# Altium PCB UNT 3-ALL.pcbdoc (part 3 of 4)
Units mm, origin at the board's own origin, x right, y up, seen from the top; angles counter-clockwise.
Board outline 81.66 x 106.01 mm, 4 copper layers (Top Layer, Mid Layer 1, Mid Layer 2, Bottom Layer), stack 0.778 mm thick; 401 components, 151 nets, 1332 pads, 708 vias.
Unrouted connection lines stored in the file: 121.
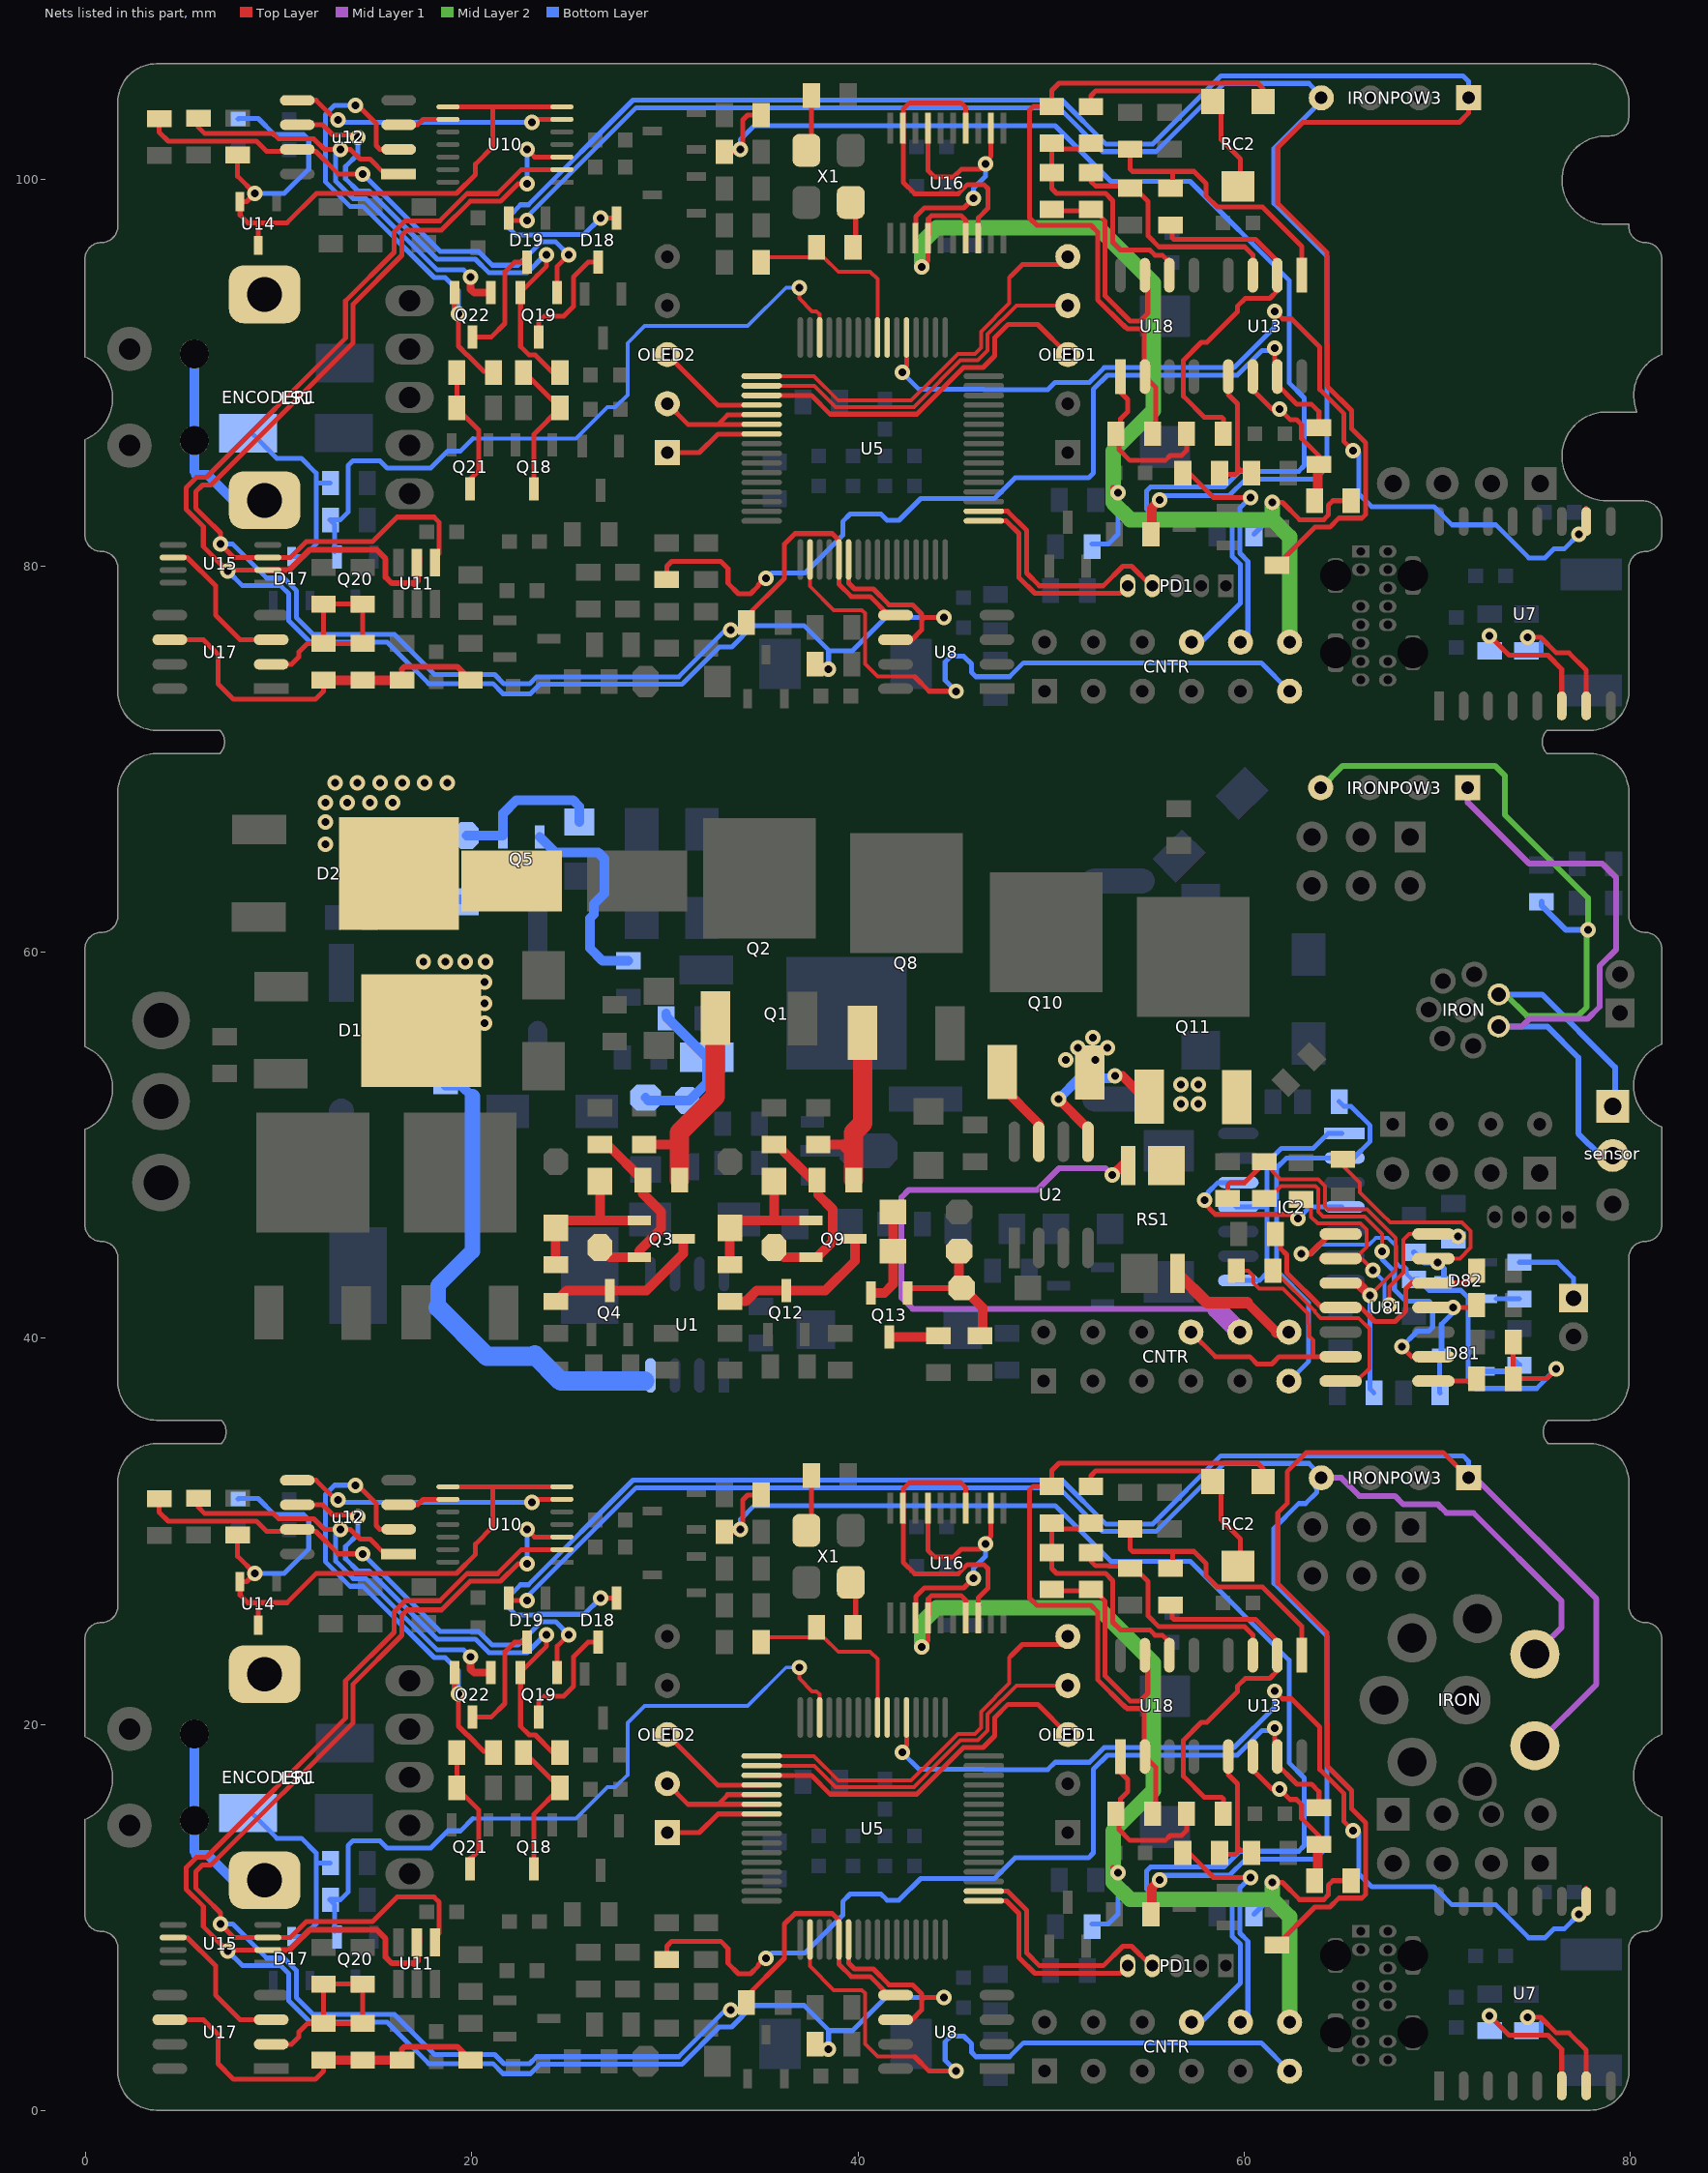
[diagram p5: the nets of this part, all layers, seen from the top]

## Via types
v1: diameter 0.8, hole 0.4, Top Layer to Bottom Layer, tented both sides, 702 vias
v2: diameter 4, hole 2.2, Top Layer to Bottom Layer, 6 vias

## Nets (pads, with @x,y where several pads share a name; then routed paths per layer and width w, separated by ;. In a path a pad name is that pad's centre, name@x,y a point inside that pad or via, vN(x,y) a via of type N, cw(c..) or ccw(c..) an arc to the next point about the centre after c; other vN are vias at no path point) (continued)
NetC58_2: C58.2 R34.2 U10.7 U10.8 U14.2 U14.3 | length 74.7
  Top Layer w0.254: R34.2@7.874,29.809 7.874,28.702 v1(8.763,27.813) 8.343,27.393 U14.2@8,27.393 8,26.7 8.4,26.3 9,26.3 ; R34.2@7.874,101.289 7.874,100.182 v1(8.763,99.293) 8.343,98.873 U14.2@8,98.873 8,98.18 8.4,97.78 9,97.78 ; U14.3@8.95,25.125 8.95,26.25 9,26.3 ; U14.3@8.95,96.605 8.95,97.73 9,97.78 ; U10.8@18.767,32.303 21.082,32.303 ; U10.8@18.767,103.783 21.082,103.783 ; U10.7@24.667,32.303 21.082,32.303 ; U10.7@24.667,103.783 21.082,103.783 ; 9,26.3 10.431,26.3 11.954,27.824 13.445,27.824 13.456,27.813 13.976,27.813 13.986,27.824 15.477,27.824 15.488,27.813 16.77,27.813 16.78,27.824 18.271,27.824 18.282,27.813 19.206,27.813 20.193,28.8 20.193,29.337 21.082,30.226 21.082,32.303 ; 9,97.78 10.431,97.78 11.954,99.304 13.445,99.304 13.456,99.293 13.976,99.293 13.986,99.304 15.477,99.304 15.488,99.293 16.77,99.293 16.78,99.304 18.271,99.304 18.282,99.293 19.206,99.293 20.193,100.28 20.193,100.817 21.082,101.706 21.082,103.783
  Bottom Layer w0.254: C58.2@7.9,31.677 7.923,31.7 8.94,31.7 9.779,30.861 11.303,30.861 11.557,30.607 11.557,29.083 10.287,27.813 v1(8.763,27.813) ; C58.2@7.9,103.157 7.923,103.18 8.94,103.18 9.779,102.341 11.303,102.341 11.557,102.087 11.557,100.563 10.287,99.293 v1(8.763,99.293)
NetC66_1: C66.1 R49.1 R50.2 R60.1 U17.2 | length 23.2
  Top Layer w0.254: U17.2@9.61,3.429 10.668,3.429 11.049,3.81 11.049,4.064 11.491,4.506 R50.2@12.319,4.506 ; U17.2@9.61,74.909 10.668,74.909 11.049,75.29 11.049,75.544 11.491,75.986 R50.2@12.319,75.986 R60.1@12.319,78.023 R49.1@14.351,78.023 14.478,78.023 14.351,77.896 C66.1@14.351,75.986 R50.2@12.319,75.986 ; R50.2@12.319,4.506 R60.1@12.319,6.543 R49.1@14.351,6.543 14.478,6.543 14.351,6.416 C66.1@14.351,4.506 R50.2@12.319,4.506
NetC66_2: C66.2 R50.1 R55.2 R58.1 U17.6 | length 38.8
  Top Layer w0.254: U17.6@4.36,4.699 6.096,4.699 6.858,3.937 6.858,2.413 7.654,1.617 11.904,1.617 12.319,2.032 R50.1@12.319,2.606 ; U17.6@4.36,76.179 6.096,76.179 6.858,75.417 6.858,73.893 7.654,73.097 11.904,73.097 12.319,73.512 R50.1@12.319,74.086
  Top Layer w0.3: R58.1@16.383,2.606 16.383,3.175 16.51,3.302 19.243,3.302 R55.2@19.939,2.606 ; R58.1@16.383,74.086 16.383,74.655 16.51,74.782 19.243,74.782 R55.2@19.939,74.086
  Top Layer w0.5: R50.1@12.319,2.606 R58.1@16.383,2.606 ; R50.1@12.319,74.086 R58.1@16.383,74.086
NetC85_1: C85.1 Q2.1 R6.1 | length 11.2
  Top Layer w0.5: C85.1@28.924,50.034 30.382,50.034 30.763,49.653
  Top Layer w1: R6.1@30.763,48.19 30.763,49.653 30.763,50.664 32.618,52.519 Q2.1@32.618,56.578
NetC86_1: C86.1 Q8.1 R14.1 | length 10.7
  Top Layer w0.5: C86.1@37.941,50.034 39.145,50.034 39.78,49.399
  Top Layer w1: R14.1@39.78,48.19 39.78,49.399 39.78,50.664 40.238,51.122 Q8.1@40.238,55.816 Q8.1@40.238,56.578
NetC92_2: C92.2 R85.2 R86.1 U81.10 | length 22.9
  Top Layer w0.2: R85.2@61.055,49.079 61.898,48.236 63.843,48.236 64.195,47.885 64.195,46.828 64.351,46.672 66.383,46.672 67.851,45.204 67.851,43.556 v1(66.516,42.221)
  Top Layer w0.254: R86.1@59.15,47.24 59.15,47.936 59.277,48.063 60.039,48.063 R85.2@61.055,49.079 ; U81.10@64.624,42.856 U81.10@65.005,42.856
  Top Layer w0.5: U81.10@65.005,42.856 65.881,42.856 v1(66.516,42.221)
  Bottom Layer w0.254: v1(66.516,42.221) 66.516,37.377 C92.2@66.73,37.164
NetC93_2: C93.2 D81.3 R83.2 U81.4 | length 7.5
  Top Layer w0.254: U81.4@69.424,41.586 U81.4@69.805,41.586 v1(70.834,41.586) 71.916,41.586 R83.2@72.043,41.713
  Bottom Layer w0.254: D81.3@70.133,39.234 70.133,37.19 C93.2@70.159,37.164 ; 70.217,40.715 v1@71.088,41.586
  Bottom Layer w0.3: D81.3@70.217,39.234 70.217,40.715
NetC95_2: C95.2 R91.1 R92.2 U81.8 | length 27.2
  Top Layer w0.254: R91.1@73.943,39.808 R92.2@73.943,37.903 75.666,37.903 v1(76.168,38.405)
  Top Layer w0.3: v1(62.96,44.38) 63.437,44.38 64.453,45.396 U81.8@65.005,45.396
  Bottom Layer w0.2: v1(62.96,44.38) 63.521,44.38 63.994,44.853 66.481,44.853 66.835,45.207 67.441,45.207 67.867,44.781 67.867,43.918 68.083,43.702 68.318,43.702 68.432,43.588 68.432,43.311 68.699,43.044 C95.2@68.802,43.044
  Bottom Layer w0.254: C95.2@68.802,43.044 69.015,43.044 69.578,42.481 71.228,42.481 71.615,42.094 71.615,41.152 71.604,41.141 71.604,37.768 71.977,37.395 75.152,37.395 v1@76.168,38.411
NetC96_2: C96.2 D82.3 R87.2 U81.6 | length 14.4
  Top Layer w0.2: R87.2@65.118,49.267 65.118,48.928 66.003,48.043 66.003,47.556 67.101,46.458 67.105,46.458 67.567,45.996 71.28,45.996 71.738,45.538 71.738,44.69 71.174,44.126 U81.6@69.805,44.126
  Bottom Layer w0.2: v1(70.03,43.914) v1@70.03,44.127
  Bottom Layer w0.254: C96.2@68.802,44.446 C96.2@68.807,44.441
  Bottom Layer w0.3: C96.2@68.807,44.441 69.335,43.914 v1(70.03,43.914) 70.344,43.6 D82.3@70.344,42.983
NetD1_2: D1.2 D2.2 F1.1
  other v1: 20.669,56.318 20.669,57.334 20.669,58.456 17.494,59.493 18.637,59.493 19.653,59.493 20.704,59.493 12.414,65.589 12.414,66.732 12.414,67.748 13.557,67.748 14.725,67.748 15.894,67.748 12.922,68.764 14.083,68.764 15.244,68.764 16.405,68.764 17.567,68.764 18.728,68.764
NetD5_2: D5.2 Q1.1 R2.1 ZD3.2 | length 8.1
  Bottom Layer w0.5: ZD3.2@29,52.458 29.141,52.318 D5.2@31.159,52.318 31.274,52.318 32.172,53.216 Q1.1@32.172,54.551 30.067,56.656 R2.1@30.067,56.826
NetD8_1: D8.1 Q3.1 R7.2 ZD6.1 | length 8.4
  Top Layer w0.5: R7.2@24.352,43.806 ZD6.1@24.352,45.714 24.731,46.092 26.638,46.092 ; D8.1@26.638,48.127 26.638,46.092 ; Q3.1@28.67,46.092 26.638,46.092
NetD8_2: D8.2 Q3.2 R5.1 R6.2 | length 10.1
  Top Layer w0.5: D8.2@26.638,44.698 27.144,44.192 Q3.2@28.67,44.192 28.67,44.529 29.813,45.672 29.813,46.539 28.863,47.489 R6.2@28.863,48.19 27.019,50.034 R5.1@26.638,50.034
NetD10_1: D10.1 Q9.1 R15.2 ZD7.1 | length 8.3
  Top Layer w0.5: R15.2@33.369,43.806 ZD7.1@33.369,45.714 33.748,46.092 35.782,46.092 ; D10.1@35.655,48.127 35.655,46.219 35.782,46.092 ; Q9.1@37.56,46.092 35.782,46.092
NetD10_2: D10.2 Q9.2 R13.1 R14.2 | length 10.1
  Top Layer w0.5: D10.2@35.655,44.698 36.161,44.192 Q9.2@37.56,44.192 37.88,44.192 38.703,45.015 38.703,46.666 37.941,47.428 37.941,48.129 R14.2@37.88,48.19 37.638,48.19 35.794,50.034 R13.1@35.655,50.034
NetD14_1: D14.1 D15.1 Q13.2 | length 5.1
  Top Layer w0.5: Q13.2@40.674,42.348 41.37,42.348 41.815,42.793 D14.1@41.815,44.507 D15.1@41.815,46.539
NetD14_2: D14.2 Q13.1 R19.2 ZD5.2 | length 7.5
  Top Layer w0.3: Q13.1@42.574,42.348 42.828,42.602 ZD5.2@45.244,42.602
  Top Layer w0.5: D14.2@45.244,44.253 45.244,42.602 ZD5.2@45.371,42.602 45.434,42.602 46.45,41.586 R19.2@46.45,40.123
NetD17_3: D17.3 LS1.2 R32.2 | length 20.3
  Bottom Layer w0.254: LS1.2@8.598,15.405 9.906,14.097 11.176,14.097 11.938,13.335 11.938,12.827 11.954,12.811 R32.2@12.683,12.811 ; LS1.2@8.598,86.885 9.906,85.577 11.176,85.577 11.938,84.815 11.938,84.307 11.954,84.291 R32.2@12.683,84.291 ; D17.3@10.668,8.999 11.285,8.999 11.938,9.652 11.938,12.811 ; D17.3@10.668,80.479 11.285,80.479 11.938,81.132 11.938,84.291
NetD18_3: D18.3 Q19.3 | length 12.1
  Top Layer w0.254: Q19.3@23.477,20.386 23.477,21.191 23.749,21.463 24.765,21.463 25.273,21.971 25.273,23.495 26.035,24.257 D18.3@26.543,24.257 ; Q19.3@23.477,91.866 23.477,92.671 23.749,92.943 24.765,92.943 25.273,93.451 25.273,94.975 26.035,95.737 D18.3@26.543,95.737
NetD19_3: D19.3 Q22.3 | length 12
  Top Layer w0.254: Q22.3@20.048,20.386 21.021,20.386 21.717,21.082 21.717,23.749 22.225,24.257 D19.3@22.86,24.257 ; Q22.3@20.048,91.866 21.021,91.866 21.717,92.562 21.717,95.229 22.225,95.737 D19.3@22.86,95.737
NetD81_2: D81.2 R81.1 | length 2.3
  Bottom Layer w0.254: R81.1@74.009,38.858 R81.1@74.263,38.604
  Bottom Layer w0.3: D81.2@72.485,38.284 73.943,38.284 R81.1@74.263,38.604
NetD82_2: D82.2 R88.1 | length 1.2
  Bottom Layer w0.254: D82.2@73.054,42.033 R88.1@74.263,42.033
NetENCODER1_6: ENCODER1.6 ENCODER1.7 | length 21
  Bottom Layer w0.5: ENCODER1.7@5.627,19.508 ENCODER1.7@5.627,15.008 5.627,13.423 5.715,13.335 5.715,13.236 6.322,13.236 7.747,11.811 9.16,11.811 ENCODER1.6@9.273,11.924 ; ENCODER1.7@5.627,90.988 ENCODER1.7@5.627,86.488 5.627,84.903 5.715,84.815 5.715,84.716 6.322,84.716 7.747,83.291 9.16,83.291 ENCODER1.6@9.273,83.404
NetIC2_1: IC2.1 IC2.8 IC2.11 | length 13.6
  Bottom Layer w0.254: IC2.8@59.575,42.983 IC2.8@59.702,42.983 60.801,42.983 61.182,43.364 61.182,46.793 ; IC2.11@59.575,46.793 IC2.11@59.702,46.793 61.182,46.793 ; IC2.1@65.075,50.603 64.357,50.603 63.595,49.841 61.944,49.841 61.182,49.079 61.182,46.793
NetIC2_4: IC2.4 IC2.12 | length 10.2
  Top Layer w0.254: v1(57.965,47.146) 57.965,47.066 58.059,46.972 58.007,46.92 58.238,46.689 58.238,46.681 58.4,46.518 58.409,46.518 58.515,46.412 62.579,46.412 v1(62.796,46.195)
  Bottom Layer w0.254: v1(57.965,47.146) 57.965,47.273 58.068,47.376 58.134,47.31 58.134,47.553 58.644,48.063 IC2.12@59.575,48.063 ; v1(62.796,46.195) 63.394,46.793 IC2.4@65.075,46.793
NetQ3_3: Q3.3 Q4.3 R7.1 | length 8.4
  Top Layer w0.5: R7.1@24.352,41.906 24.921,42.475 Q4.3@27.146,42.475 29.051,42.475 30.956,44.38 Q3.3@30.956,45.142
NetQ5_1: Q5.1 R10.2 ZD1.2 | length 8.2
  Bottom Layer w0.5: ZD1.2@19.729,66.034 21.624,66.034 21.624,67.179 22.32,67.875 25.241,67.875 25.571,67.545 R10.2@25.571,66.735
NetQ5_2: Q5.2 R9.1 | length 11
  Bottom Layer w0.5: Q5.2@23.524,65.97 24.345,65.149 26.556,65.149 26.863,64.842 26.863,63.028 26.325,62.49 26.325,61.957 26.115,61.747 26.115,60.204 26.765,59.554 R9.1@28.111,59.554
NetQ9_3: Q9.3 Q12.3 R15.1 | length 8.5
  Top Layer w0.5: R15.1@33.369,41.906 34.197,41.906 34.766,42.475 Q12.3@36.29,42.475 38.322,42.475 39.846,43.999 Q9.3@39.846,45.142
NetQ10_1: Q10.1 U2.7 | length 4.5
  Top Layer w0.5: Q10.1@47.477,53.784 47.477,53.005 49.371,51.111 U2.7@49.371,50.178 U2.7@49.371,50.051
NetQ10_3: Q10.3 Q11.3 RS1.2
  other v1: 56.737,52.127 57.626,52.127 56.737,53.143 57.626,53.143 50.768,54.413 52.292,54.413 51.403,55.048 52.927,55.048 52.165,55.556
NetQ11_1: Q11.1 U2.5 | length 9
  Top Layer w0.5: v1(50.387,52.381) U2.5@51.911,50.857 ; U2.5@51.911,50.051 U2.5@51.911,50.178 U2.5@51.911,50.857 ; U2.5@51.911,50.974 U2.5@51.911,50.857 ; v1(53.311,53.581) 53.693,53.581 54.76,52.514 Q11.1@55.097,52.514 Q11.1@55.097,52.21
  Bottom Layer w0.5: v1(50.387,52.381) 51.476,53.47 v1@53.308,53.47
NetQ13_3: Q13.3 R20.2 | length 2.6
  Top Layer w0.5: Q13.3@41.624,40.062 44.103,40.062 R20.2@44.164,40.123
NetQ18_3: Q18.3 R30.1 R31.2 | length 14.7
  Top Layer w0.254: R31.2@22.738,18.542 24.572,16.708 R30.1@24.572,16.703 24.572,16.698 23.223,15.349 Q18.3@23.223,12.512 ; R31.2@22.738,90.022 24.572,88.188 R30.1@24.572,88.183 24.572,88.178 23.223,86.829 Q18.3@23.223,83.992
NetQ19_1: Q19.1 R33.1 u12.7 | length 55.5
  Top Layer w0.254: R33.1@3.81,31.684 3.81,30.988 4.277,30.521 8.849,30.521 9.378,29.992 11.918,29.992 13.081,28.829 v1(14.351,28.829) ; R33.1@3.81,103.164 3.81,102.468 4.277,102.001 8.849,102.001 9.378,101.472 11.918,101.472 13.081,100.309 v1(14.351,100.309) ; Q19.1@24.427,22.672 24.427,24.046 v1(25.019,24.638) ; Q19.1@24.427,94.152 24.427,95.526 v1(25.019,96.118)
  Bottom Layer w0.254: v1(14.351,28.829) 18.37,24.81 20.348,24.81 21.06,24.098 22.393,24.098 23.6,25.305 24.352,25.305 v1(25.019,24.638) ; v1(14.351,100.309) 18.37,96.29 20.348,96.29 21.06,95.578 22.393,95.578 23.6,96.785 24.352,96.785 v1(25.019,96.118)
NetQ19_2: Q19.2 R31.1 u12.6 | length 53.4
  Top Layer w0.254: u12.6@10.964,31.369 12.274,31.369 12.795,30.848 14.11,30.848 14.097,30.835 v1(14.097,30.734) ; u12.6@10.964,102.849 12.274,102.849 12.795,102.328 14.11,102.328 14.097,102.315 v1(14.097,102.214) ; v1(23.876,24.638) 23.876,24.052 23.377,23.553 23.377,23.546 22.527,22.696 Q19.2@22.527,22.672 22.527,19.891 22.974,19.444 23.293,19.444 24.195,18.542 R31.1@24.638,18.542 ; v1(23.876,96.118) 23.876,95.532 23.377,95.033 23.377,95.026 22.527,94.176 Q19.2@22.527,94.152 22.527,91.371 22.974,90.924 23.293,90.924 24.195,90.022 R31.1@24.638,90.022
  Bottom Layer w0.254: v1(14.097,30.734) 14.097,29.845 13.462,29.21 13.462,28.575 14.097,27.94 14.683,27.94 18.207,24.416 20.185,24.416 20.897,23.704 22.864,23.704 23.798,24.638 v1(23.876,24.638) ; v1(14.097,102.214) 14.097,101.325 13.462,100.69 13.462,100.055 14.097,99.42 14.683,99.42 18.207,95.896 20.185,95.896 20.897,95.184 22.864,95.184 23.798,96.118 v1(23.876,96.118)
NetQ21_3: Q21.3 R35.1 R39.2 | length 13.4
  Top Layer w0.254: R39.2@19.225,18.542 R35.1@19.225,16.703 20.352,15.576 20.352,13.44 19.961,13.049 19.921,13.049 Q21.3@19.921,12.512 ; R39.2@19.225,90.022 R35.1@19.225,88.183 20.352,87.056 20.352,84.92 19.961,84.529 19.921,84.529 Q21.3@19.921,83.992
NetQ22_1: Q22.1 R44.1 u12.1 | length 48.8
  Top Layer w0.254: R44.1@5.842,31.709 5.842,31.242 6.169,30.915 9.725,30.915 9.999,30.641 11.826,30.641 12.368,30.099 v1(13.208,30.099) 13.716,30.099 14.224,29.591 14.732,29.591 15.494,28.829 u12.1@16.214,28.829 ; R44.1@5.842,103.189 5.842,102.722 6.169,102.395 9.725,102.395 9.999,102.121 11.826,102.121 12.368,101.579 v1(13.208,101.579) 13.716,101.579 14.224,101.071 14.732,101.071 15.494,100.309 u12.1@16.214,100.309
  Top Layer w0.4: v1(19.939,23.495) 19.939,22.86 20.127,22.672 Q22.1@20.998,22.672 ; v1(19.939,94.975) 19.939,94.34 20.127,94.152 Q22.1@20.998,94.152
  Bottom Layer w0.254: v1(13.208,30.099) 12.954,29.845 12.954,28.448 13.856,27.546 14.52,27.546 18.216,23.85 19.584,23.85 v1(19.939,23.495) ; v1(13.208,101.579) 12.954,101.325 12.954,99.928 13.856,99.026 14.52,99.026 18.216,95.33 19.584,95.33 v1(19.939,94.975)
NetQ22_2: Q22.2 R39.1 u12.2 | length 49.4
  Top Layer w0.254: v1(13.97,32.385) 14.097,32.385 15.047,31.435 15.047,30.292 15.24,30.099 u12.2@16.214,30.099 ; v1(13.97,103.865) 14.097,103.865 15.047,102.915 15.047,101.772 15.24,101.579 u12.2@16.214,101.579 ; Q22.2@19.098,22.672 19.098,21.796 v1(19.304,21.59) 19.304,19.902 19.762,19.444 19.78,19.444 20.616,18.608 R39.1@21.125,18.608 ; Q22.2@19.098,94.152 19.098,93.276 v1(19.304,93.07) 19.304,91.382 19.762,90.924 19.78,90.924 20.616,90.088 R39.1@21.125,90.088
  Bottom Layer w0.254: v1(13.97,32.385) 12.9,32.385 12.414,31.899 12.414,28.431 13.693,27.152 14.356,27.152 18.052,23.456 18.626,23.456 19.304,22.778 v1(19.304,21.59) ; v1(13.97,103.865) 12.9,103.865 12.414,103.379 12.414,99.911 13.693,98.632 14.356,98.632 18.052,94.936 18.626,94.936 19.304,94.258 v1(19.304,93.07)
NetR3_1: R3.1 R4.2 U1.4 | length 27.4
  Bottom Layer w0.5: R4.2@18.637,54.86 R3.1@18.637,53.077 19.465,53.077 20.034,52.508
  Bottom Layer w0.8: 18.256,41.586 18.256,42.729 20.034,44.507 20.034,52.508
  Bottom Layer w1: 18.256,41.586 20.789,39.053 23.256,39.053 ; 23.256,39.133 24.613,37.776 28.958,37.776
NetR25_1: R25.1 U7.6 | length 12.7
  Top Layer w0.254: v1(72.72,4.902) 73.729,3.893 75.736,3.893 76.454,3.175 U7.6@76.455,1.275 U7.6@76.455,1.275 ; v1(72.72,76.382) 73.729,75.373 75.736,75.373 76.454,74.655 U7.6@76.455,72.755 U7.6@76.455,72.755
NetR26_1: R26.1 U7.7 | length 12.3
  Top Layer w0.254: v1(74.676,4.826) 75.36,4.826 76.173,4.013 76.835,4.013 77.724,3.124 U7.7@77.725,1.275 U7.7@77.725,1.275 ; v1(74.676,76.306) 75.36,76.306 76.173,75.493 76.835,75.493 77.724,74.604 U7.7@77.725,72.755 U7.7@77.725,72.755
  Bottom Layer w0.254: 75.387,4.003 75.387,4.572 ; 75.387,75.483 75.387,76.052
NetR37_1: R37.1 R38.2 U13.6 | length 16.5
  Top Layer w0.254: U13.6@60.452,18.33 60.452,17.649 61.464,16.637 v1(61.849,16.637) 62.382,16.104 62.713,16.104 62.979,15.839 62.979,15.126 63.881,14.224 R38.2@63.881,13.782 ; U13.6@60.452,89.81 60.452,89.129 61.464,88.117 v1(61.849,88.117) 62.382,87.584 62.713,87.584 62.979,87.319 62.979,86.606 63.881,85.704 R38.2@63.881,85.262
  Top Layer w0.5: R37.1@63.82,11.938 63.82,13.721 R38.2@63.881,13.782 ; R37.1@63.82,83.418 63.82,85.201 R38.2@63.881,85.262
NetR38_1: R38.1 R45.2 U13.7 | length 94.6
  Top Layer w0.254: R45.2@30.099,7.813 30.099,8.509 30.353,8.763 32.893,8.763 33.274,8.382 33.274,7.62 33.814,7.08 34.439,7.08 34.83,7.471 34.83,7.525 35.179,7.874 v1(35.242,7.874) ; R45.2@30.099,79.293 30.099,79.989 30.353,80.243 32.893,80.243 33.274,79.862 33.274,79.1 33.814,78.56 34.439,78.56 34.83,78.951 34.83,79.005 35.179,79.354 v1(35.242,79.354) ; v1(61.595,19.812) 61.595,18.034 62.738,16.891 63.5,16.891 63.881,16.51 R38.1@63.881,15.936 ; v1(61.595,91.292) 61.595,89.514 62.738,88.371 63.5,88.371 63.881,87.99 R38.1@63.881,87.416
  Bottom Layer w0.254: v1(35.242,7.874) 35.529,8.161 37.263,8.161 39.211,10.109 39.211,10.817 39.602,11.208 41.189,11.208 41.507,10.89 42.132,10.89 43.258,12.016 47.068,12.016 48.133,13.081 51.943,13.081 52.197,13.335 52.197,17.682 52.917,18.401 59.648,18.401 60.931,19.685 61.595,19.685 v1(61.595,19.812) ; v1(35.242,79.354) 35.529,79.641 37.263,79.641 39.211,81.589 39.211,82.297 39.602,82.688 41.189,82.688 41.507,82.37 42.132,82.37 43.258,83.496 47.068,83.496 48.133,84.561 51.943,84.561 52.197,84.815 52.197,89.162 52.917,89.881 59.648,89.881 60.931,91.165 61.595,91.165 v1(61.595,91.292)
NetR42_1: R42.1 R48.1 U13.5 | length 14
  Top Layer w0.254: R42.1@58.672,13.272 59.563,13.272 59.658,13.367 59.658,13.621 ; R42.1@58.672,84.752 59.563,84.752 59.658,84.847 59.658,85.101 ; U13.5@59.182,18.33 59.182,17.399 59.658,16.923 59.658,13.621 ; U13.5@59.182,89.81 59.182,88.879 59.658,88.403 59.658,85.101 ; R48.1@60.391,13.462 59.817,13.462 59.658,13.621 ; R48.1@60.391,84.942 59.817,84.942 59.658,85.101
NetR52_1: R52.1 R53.2 U13.2 | length 39.7
  Top Layer w0.254: R53.2@56.274,26.177 56.274,25.514 56.343,25.445 60.583,25.445 61.722,24.306 U13.2@61.722,23.58 61.722,22.765 61.341,22.384 60.066,22.384 59.653,21.971 59.653,21.68 58.076,20.103 57.785,20.103 56.862,19.18 56.862,17.306 57.944,16.224 58.833,16.224 58.923,16.134 R52.1@58.923,15.367 ; R53.2@56.274,97.657 56.274,96.994 56.343,96.925 60.583,96.925 61.722,95.786 U13.2@61.722,95.06 61.722,94.245 61.341,93.864 60.066,93.864 59.653,93.451 59.653,93.16 58.076,91.583 57.785,91.583 56.862,90.66 56.862,88.786 57.944,87.704 58.833,87.704 58.923,87.614 R52.1@58.923,86.847